# Altium PCB Fri3d_2020_Time_Blaster_00.PcbDoc (part 2 of 2)
Units mm, origin at the board's own origin, x right, y up, seen from the top; angles counter-clockwise.
Board outline 163.52 x 127.05 mm, 2 copper layers (Top Layer, Bottom Layer), stack 1.571 mm thick; 69 components, 56 nets, 239 pads, 21 vias.
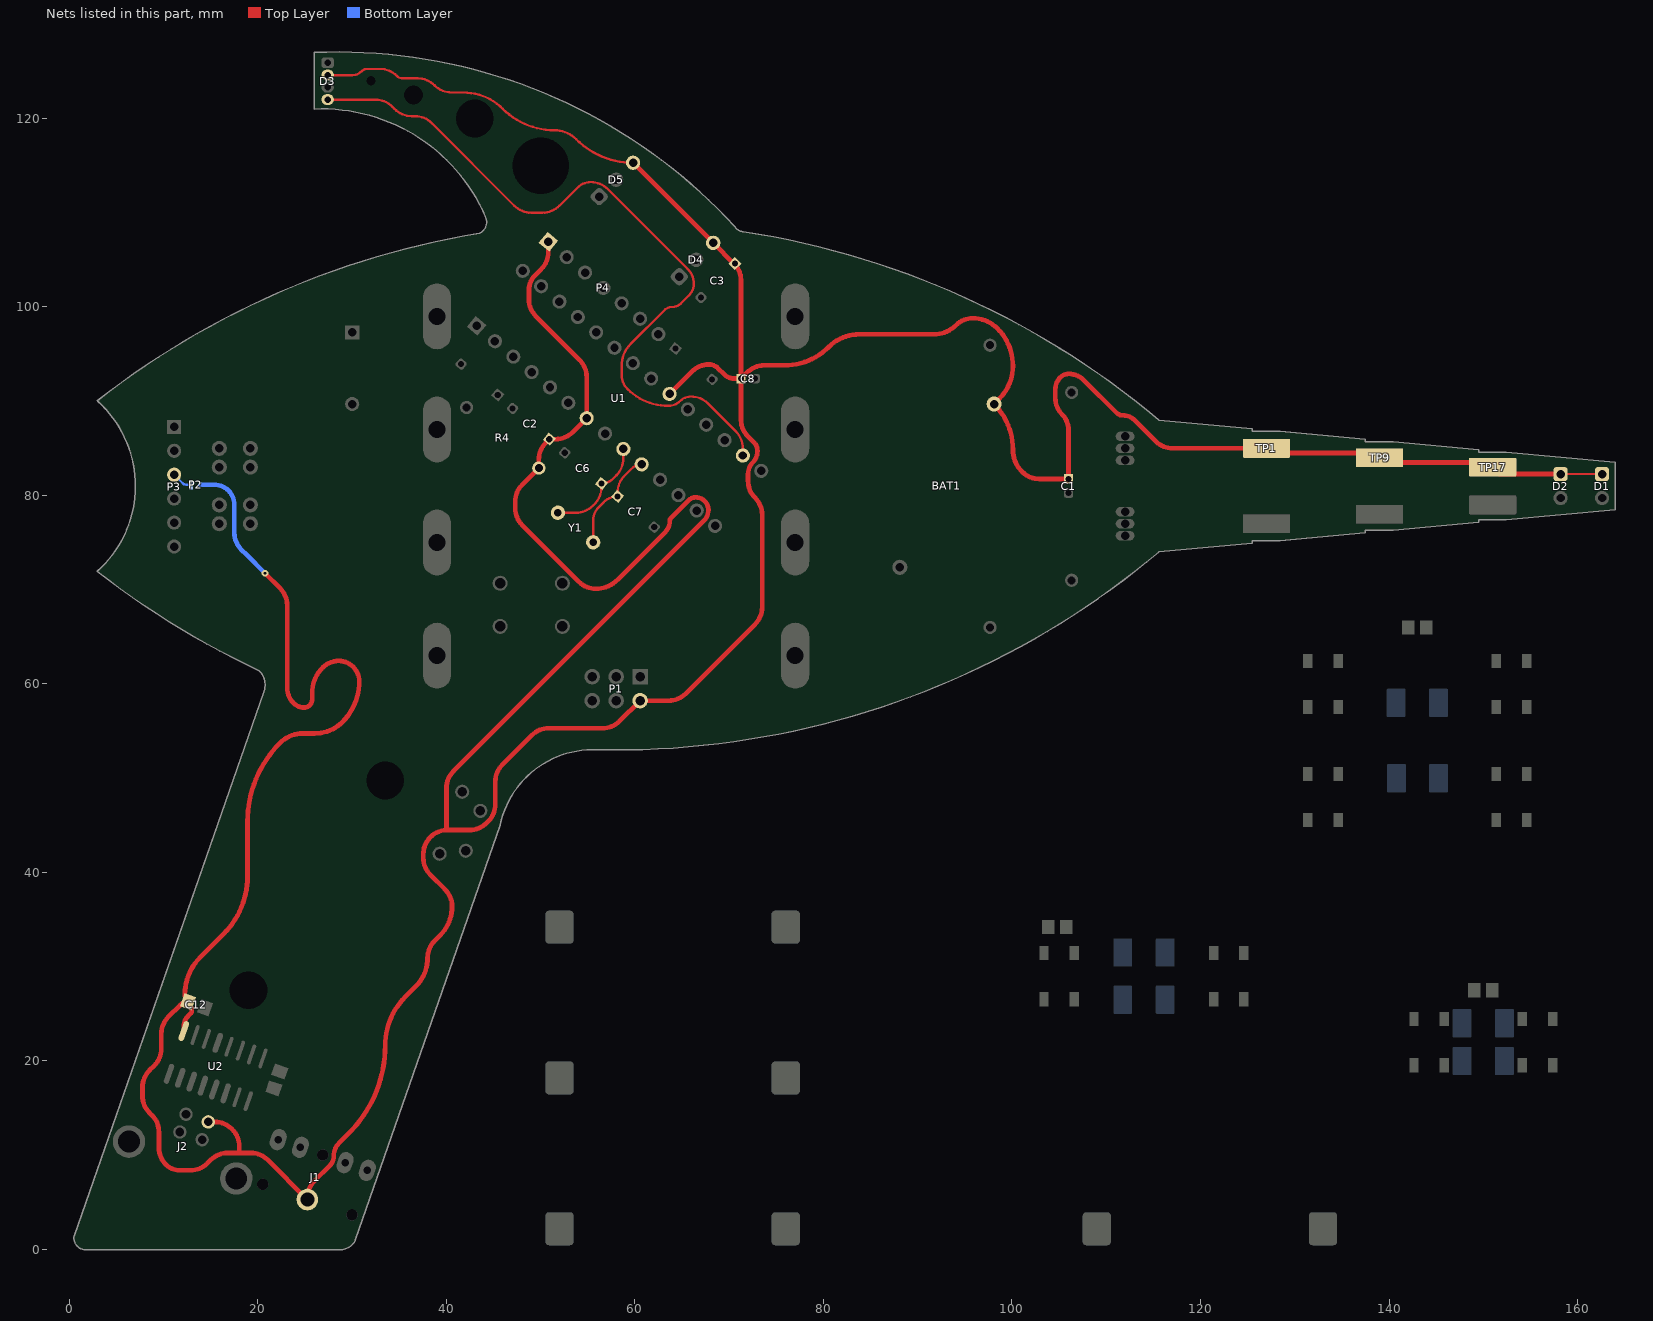
[diagram p2: the nets of this part, all layers, seen from the top]

## Via types
v1: diameter 0.7, hole 0.3, Top Layer to Bottom Layer, 21 vias

## Nets (pads, with @x,y where several pads share a name; then routed paths per layer and width w, separated by ;. In a path a pad name is that pad's centre, name@x,y a point inside that pad or via, vN(x,y) a via of type N, cw(c..) or ccw(c..) an arc to the next point about the centre after c; other vN are vias at no path point) (continued)
VCC: BAT1.1 C1.1 C2.1 C3.1 C8.1 C12.1 D1.1 D2.1 D3.2 D4.3 D5.3 J1.1 J2.1 P1.2 P2.1 P4.1 R4.1 TP1.1 TP9.1 TP17.1 U1.7 U1.20 U2.16 | length 552.6
  Top Layer w0.25: D3.2@27.4,124.6 30.034,124.6 ccw(c30.034,125.966) 31,125 cw(c31.604,124.396) 31.604,125.25 32.948,125.25 cw(c32.948,122.71) 34.744,124.506 ccw(c35.362,125.124) 35.362,124.25 36.948,124.25 cw(c36.948,121.71) 38.744,123.506 ccw(c40.569,125.331) 40.569,122.75 41.801,122.75 cw(c41.801,116.837) 45.982,121.018 ; 45.982,121.018 ccw(c51.457,126.493) 51.457,118.75 cw(c51.457,115.463) 53.782,117.787 ccw(c59.796,123.801) D5.3@59.796,115.296 ; D2.1@158.2,82.27 D1.1@162.6,82.27
  Top Layer w0.5: U2.16@12.129,23.17 12.129,23.663 cw(c13.665,23.663) 12.579,24.75 12.889,25.06 ccw(c12.699,25.25) 12.968,25.25 12.968,25.339 ccw(c11.64,25.339) C12.1@12.579,26.278 ; J2.1@14.73,13.539 15.43,13.539 cw(c15.43,10.999) 17.226,12.795 17.281,12.74 cw(c15.485,10.944) 18.025,10.944 18.025,10.25 ; v1(20.75,71.75) 22.356,70.144 cw(c20.56,68.348) 23.1,68.348 23.1,59.63 ccw(c25.466,59.63) 23.793,57.957 ccw(c24.896,59.061) 24.896,57.5 ccw(c24.896,58.354) 25.75,58.354 25.75,59.027 cw(c29.601,59.027) 26.878,61.75 cw(c28.568,60.06) 28.568,62.45 cw(c28.568,60.268) 30.75,60.268 cw(c24.672,60.268) 28.97,55.97 cw(c26.025,58.914) 26.025,54.75 24.756,54.75 ccw(c24.756,51.356) 22.356,53.756 ccw(c30.7,45.412) 18.9,45.412 18.9,39.593 cw(c10.286,39.593) 16.377,33.502 13.879,31.004 ccw(c17.811,27.071) 12.25,27.071 ccw(c13.372,27.071) C12.1@12.579,26.278 ; P4.1@50.811,106.913 50.811,105.817 cw(c48.271,105.817) 50.067,104.021 49.408,103.362 ccw(c50.998,101.773) 48.75,101.773 48.75,100.802 ccw(c51.29,100.802) 49.494,99.006 54.134,94.366 cw(c52.338,92.57) 54.878,92.57 U1.7@54.878,88.198 53.392,86.711 cw(c51.596,88.507) 51.596,85.967 C2.1@50.914,85.967 50.544,85.597 ccw(c52.34,83.801) 49.8,83.801 R4.1@49.8,82.9 48.044,81.144 ccw(c49.84,79.348) 47.3,79.348 47.3,78.652 ccw(c49.84,78.652) 48.044,76.856 54.056,70.844 ccw(c55.852,72.64) 55.852,70.1 ccw(c55.852,73.354) 58.153,71.053 63.205,76.105 ccw(c62.01,77.3) 63.7,77.3 cw(c64.183,77.3) 63.841,77.641 65.693,79.493 cw(c66.434,78.751) 66.434,79.8 cw(c66.434,78.434) 67.4,79.4 cw(c66.434,78.434) 67.8,78.465 ; D5.3@59.796,115.296 D4.3@68.296,106.796 70.546,104.546 cw(c68.847,102.847) 71.25,102.847 C8.1@71.25,92.402 ; U1.20@63.668,90.77 66.054,93.156 cw(c67.85,91.36) 67.85,93.9 cw(c67.85,92.546) 68.807,93.503 69.468,92.843 ; 67.8,78.5 cw(c66.11,78.5) 67.8,78.465 ; 69.468,92.844 ccw(c70.534,93.909) 70.534,92.402 C8.1@70.789,92.402 ; C8.1@70.961,92.402 C8.1@71.25,92.402 ; D2.1@158.2,82.27 151.73,82.27 TP17.1@151,83 150.5,83.5 139.5,83.5 TP9.1@139,84 138.5,84.5 128.6,84.5 128.1,85 TP1.1@127,85 117.052,85 cw(c117.052,87.54) 115.256,85.744 113.03,87.97 ccw(c111.75,86.689) 111.75,88.5 cw(c111.75,89.434) 111.09,88.773 107.627,92.236 ccw(c106.024,90.632) 106.024,92.9 ccw(c106.024,91.636) 105.13,92.53 ccw(c106.409,91.251) 104.6,91.251 104.6,90.352 ccw(c107.14,90.352) 105.344,88.556 cw(c103.76,86.972) 106,86.972 C1.1@106,81.75 102.902,81.75 cw(c102.902,84.29) 101.106,82.494 101.07,82.53 cw(c103.411,84.872) 100.1,84.872 ccw(c93.272,84.872) BAT1.1@98.1,89.7 98.667,90.267 ccw(c95.207,93.727) 100.1,93.727 ccw(c94.443,93.727) 98.443,97.727 ccw(c95.852,95.136) 95.852,98.8 ccw(c95.852,96.26) 94.056,98.056 cw(c91.748,100.364) 91.748,97.1 83.812,97.1 ccw(c83.812,92.484) 80.548,95.748 cw(c75.845,100.451) 75.845,93.8 73.7,93.8 ccw(c73.7,91.26) 71.904,93.056 C8.1@71.25,92.402 ; C12.1@12.579,26.278 ccw(c12.579,25.106) 11.751,25.935 10.494,24.678 ccw(c12.29,22.882) 9.75,22.882 9.75,21.302 cw(c7.21,21.302) 9.006,19.506 8.494,18.994 ccw(c10.29,17.198) 7.75,17.198 7.75,16.302 ccw(c10.29,16.302) 8.494,14.506 8.756,14.244 cw(c6.96,12.448) 9.5,12.448 9.5,10.802 ccw(c12.04,10.802) 10.244,9.006 ccw(c11.708,10.47) 11.708,8.4 12.848,8.4 ccw(c12.848,10.94) 14.644,9.144 15.006,9.506 cw(c16.802,7.71) 16.802,10.25 18.025,10.25 ; 18.025,10.25 19.248,10.25 cw(c19.248,7.71) 21.044,9.506 J1.1@25.25,5.3 25.25,5.473 cw(c27.79,5.473) 25.994,7.269 27.622,8.897 ccw(c26.605,9.913) 28.043,9.913 cw(c30.02,9.913) 28.622,11.311 29.652,12.341 ccw(c20.363,21.631) 33.5,21.631 cw(c40.848,21.631) 35.652,26.827 36.746,27.92 ccw(c33.718,30.948) 38,30.948 cw(c40.54,30.948) 38.744,32.744 39.329,33.329 ccw(c36.26,36.398) 40.6,36.398 ccw(c38.06,36.398) 39.856,38.194 38.294,39.756 cw(c40.09,41.552) 37.55,41.552 37.55,41.96 cw(c40.09,41.96) 37.617,42.541 cw(c40.09,41.96) 40,44.498 ; 40,44.498 cw(c40.09,41.96) 40.09,44.5 42.448,44.5 ccw(c42.448,47.04) 44.244,45.244 44.445,45.445 ccw(c42.649,47.241) 45.189,47.241 45.189,49.637 cw(c47.729,49.637) 45.933,51.433 49.056,54.556 cw(c50.852,52.76) 50.852,55.3 56.558,55.3 ccw(c56.558,57.84) 58.354,56.044 P1.2@60.54,58.23 63.578,58.23 ccw(c63.578,60.77) 65.374,58.974 72.756,66.356 ccw(c70.96,68.152) 73.5,68.152 73.5,77.948 ccw(c70.96,77.948) 72.756,79.744 72.744,79.756 cw(c74.54,81.552) 72,81.552 72,82.293 cw(c73.707,82.293) 72.5,83.5 ccw(c71.293,84.707) 73,84.707 73,84.75 ccw(c71.793,84.75) 72.646,85.604 71.957,86.293 cw(c73.664,88) 71.25,88 C8.1@71.25,92.402 ; 40,44.498 40,48.948 cw(c42.54,48.948) 40.744,50.744 67.305,77.305 ccw(c66.11,78.5) 67.8,78.465
  Bottom Layer w0.5: P2.1@13.9,81.15 15.35,81.15 cw(c15.35,79) 17.5,79 17.5,76.052 ccw(c20.04,76.052) 18.244,74.256 18.803,73.697 v1(20.75,71.75)
VFTDI: P2.2 P3.3 | length 2.2
  Bottom Layer w0.25: P3.3@11.113,82.2 12.02,81.293 ccw(c12.366,81.639) 12.366,81.15 P2.2@12.9,81.15
WS2812: D3.4 U1.16 | length 80.5
  Top Layer w0.25: D3.4@27.4,122 32.448,122 cw(c32.448,119.46) 34.244,121.256 34.506,120.994 ccw(c36.302,122.79) 36.302,120.25 36.644,120.25 cw(c36.644,117.71) 38.44,119.506 47.202,110.744 ccw(c48.998,112.54) 48.998,110 50.198,110 ccw(c50.198,112.54) 51.994,110.744 53.926,112.676 cw(c55.311,111.291) 55.311,113.25 cw(c55.311,110.71) 57.107,112.506 65.613,104 cw(c64.077,102.463) 66.25,102.463 66.25,102.457 cw(c64.543,102.457) 65.75,101.25 64.854,100.354 cw(c64,101.207) 64,100 ccw(c64,98.725) 63.098,99.627 59.524,96.052 ccw(c61.769,93.807) 58.594,93.807 58.594,92.774 ccw(c60.691,92.774) 59.208,91.292 ; 59.208,91.292 ccw(c63.534,95.617) 63.534,89.5 ccw(c63.534,91.293) 64.802,90.025 cw(c65.948,88.879) 65.948,90.5 cw(c65.948,87.96) 67.744,89.756 70.707,86.793 cw(c68.911,84.997) 71.451,84.997 U1.16@71.451,84.239
XTAL1: C6.1 U1.9 Y1.1 | length 11.4
  Top Layer w0.25: Y1.1@51.831,78.168 53.741,78.168 ccw(c53.741,80.708) 55.537,78.912 55.702,79.077 ccw(c53.906,80.873) 56.446,80.873 C6.1@56.446,81.267 ccw(c56.446,83.009) 57.678,81.778 58.026,82.126 ccw(c56.23,83.922) 58.77,83.922 U1.9@58.77,84.932
XTAL2: C7.1 U1.10 Y1.2 | length 10.9
  Top Layer w0.25: Y1.2@55.569,75.032 55.569,77.383 cw(c57.467,77.383) 56.125,78.725 56.701,79.301 cw(c58.154,77.847) C7.1@58.154,79.903 58.154,80.302 cw(c60.694,80.302) 58.898,82.098 59.664,82.864 cw(c60.715,81.813) U1.10@60.715,83.3
pads on no net: J1.0 SW2.1 SW2.2 SW2.3 SW2.4 U2.7 U2.8 U2.9 U2.10 U2.11 U2.12 U2.14 U2.15
copper on no net: | length 2091
  Top Layer w0.5: 47.007,4.401 cw(c70,-23) 92.993,4.401 ; 47.007,20.401 cw(c70,-7) 92.993,20.401 ; 47.007,36.401 cw(c70,9) 92.993,36.401 ; 104.007,4.401 cw(c127,-23) 149.993,4.401 ; 100.861,26.683 cw(c114,29) 100.861,31.317 101.788,31.153 ccw(c114,29) 101.788,26.847 100.861,26.683 ; 101.463,24.437 ccw(c114,29) 103.78,20.424 107.872,23.858 cw(c114,29) 107.054,25.031 cw(c106.489,26.351) 105.169,25.786 101.463,24.437 ; 101.463,33.563 cw(c114,29) 103.78,37.576 106.286,35.473 103.175,35.473 103,35.5 ccw(c114,29) 101.994,33.37 101.463,33.563 ; 105.424,18.78 ccw(c114,29) 109.437,16.463 111.264,21.482 cw(c114,29) 108.858,22.872 105.424,18.78 ; 105.424,39.22 cw(c114,29) 109.437,41.537 111.264,36.518 ccw(c114,29) 108.858,35.128 105.424,39.22 ; 111.683,15.861 ccw(c114,29) 116.317,15.861 115.216,22.106 cw(c114,29) 112.784,22.106 111.683,15.861 ; 111.683,42.139 cw(c114,29) 116.317,42.139 115.216,35.894 ccw(c114,29) 112.784,35.894 111.683,42.139 ; 116.736,21.482 ccw(c114,29) 119.142,22.872 122.576,18.78 cw(c114,29) 118.563,16.463 116.736,21.482 ; 116.736,36.518 cw(c114,29) 119.142,35.128 122.576,39.22 ccw(c114,29) 118.563,41.537 116.736,36.518 ; 120.128,23.858 ccw(c114,29) 120.585,24.458 ccw(c122.085,40.521) 125.604,24.776 126.537,24.437 cw(c114,29) 124.22,20.424 120.128,23.858 ; 120.128,34.142 cw(c120.428,27.209) 124.506,32.824 126.537,33.563 ccw(c114,29) 124.22,37.576 120.128,34.142 ; 126.212,26.847 ccw(c114,29) 126.212,31.153 127.139,31.317 cw(c114,29) 127.139,26.683 126.212,26.847
  Top Layer w0.75: 162,54 ccw(c143,54) 162,54
  Top Layer w2: 53.115,6.246 cw(c70,-23) 58.45,8.733 ; 53.115,22.246 cw(c70,-7) 58.45,24.733 ; 53.115,38.246 cw(c70,9) 58.45,40.733 ; 61.26,9.619 cw(c70,-23) 67.057,10.641 ; 61.26,25.619 cw(c70,-7) 67.057,26.641 ; 61.26,41.619 cw(c70,9) 67.057,42.641 ; 70,10.77 cw(c70,-23) 75.864,10.257 ; 70,26.77 cw(c70,-7) 75.864,26.257 ; 70,42.77 cw(c70,9) 75.864,42.257 ; 78.74,9.619 cw(c70,-23) 84.272,7.606 ; 78.74,25.619 cw(c70,-7) 84.272,23.606 ; 78.74,41.619 cw(c70,9) 84.272,39.606 ; 110.115,6.246 cw(c127,-23) 115.45,8.733 ; 118.26,9.619 cw(c127,-23) 124.057,10.641 ; 127,10.77 cw(c127,-23) 132.864,10.257 ; 135.74,9.619 cw(c127,-23) 141.272,7.606
  Bottom Layer w0.25: 102.991,26.175 cw(c104,29) 103.022,31.836 ; 104.218,34.787 cw(c106.929,36.071) 108.243,38.768 ; 104.232,23.243 ccw(c106.929,21.929) 108.213,19.218 ; 106.018,26.78 ccw(c104,29) 106.018,31.22 ; 106.786,24.926 cw(c106.929,21.929) 109.926,21.786 ; 106.786,33.074 ccw(c106.929,36.071) 109.926,36.214 ; 111.164,18.022 ccw(c114,19) 116.825,17.991 ; 111.175,40.009 cw(c114,39) 116.836,39.978 ; 111.78,21.018 cw(c114,19) 116.22,21.018 ; 111.78,36.982 ccw(c114,39) 116.22,36.982 ; 118.074,21.786 cw(c121.071,21.929) 121.214,24.926 ; 118.074,36.214 ccw(c121.071,36.071) 121.214,33.074 ; 119.757,19.232 ccw(c121.071,21.929) 123.782,23.213 ; 119.787,38.782 cw(c121.071,36.071) 123.768,34.757 ; 121.982,26.78 cw(c124,29) 121.982,31.22 ; 124.978,26.164 ccw(c124,29) 125.009,31.825 ; 106.761,25.173 ccw(c104.761,25.173) 106.761,25.173 ; 106.761,32.827 ccw(c104.761,32.827) 106.761,32.827 ; 107.929,21.929 ccw(c106.929,21.929) 107.929,21.929 ; 107.929,36.071 ccw(c106.929,36.071) 107.929,36.071 ; 108,29 ccw(c104,29) 108,29 ; 112.173,19.761 ccw(c110.173,19.761) 112.173,19.761 ; 112.173,38.239 ccw(c110.173,38.239) 112.173,38.239 ; 118,19 ccw(c114,19) 118,19 ; 118,39 ccw(c114,39) 118,39 ; 119.827,19.761 ccw(c117.827,19.761) 119.827,19.761 ; 119.827,38.239 ccw(c117.827,38.239) 119.827,38.239 ; 122.071,21.929 ccw(c121.071,21.929) 122.071,21.929 ; 122.071,36.071 ccw(c121.071,36.071) 122.071,36.071 ; 125.239,25.173 ccw(c123.239,25.173) 125.239,25.173 ; 125.239,32.827 ccw(c123.239,32.827) 125.239,32.827 ; 128,29 ccw(c124,29) 128,29
  Bottom Layer w0.5: 47.007,4.401 cw(c70,-23) 92.993,4.401 ; 47.007,20.401 cw(c70,-7) 92.993,20.401 ; 47.007,36.401 cw(c70,9) 92.993,36.401 ; 104.007,4.401 cw(c127,-23) 149.993,4.401 ; 141,22 cw(c150,22) 141.137,23.563 144.091,23.042 cw(c150,22) 144.362,24.052 141.543,25.078 cw(c150,22) 142.206,26.5 144.804,25 cw(c150,22) 145.404,25.857 143.106,27.785 cw(c150,22) 144.215,28.894 146.143,26.596 cw(c150,22) 147,27.196 145.5,29.794 cw(c150,22) 146.922,30.457 147.948,27.638 cw(c150,22) 148.958,27.909 148.437,30.863 cw(c150,22) 150,31 150,28 cw(c150,22) 151.042,27.909 151.563,30.863 cw(c150,22) 153.078,30.457 152.052,27.638 cw(c150,22) 153,27.196 154.5,29.794 cw(c150,22) 155.785,28.894 153.857,26.596 cw(c150,22) 154.596,25.857 156.894,27.785 cw(c150,22) 157.794,26.5 155.196,25 cw(c150,22) 155.638,24.052 158.457,25.078 cw(c150,22) 158.863,23.563 155.909,23.042 cw(c150,22) 156,22 159,22 cw(c150,22) 158.863,20.437 155.909,20.958 cw(c150,22) 155.638,19.948 158.457,18.922 cw(c150,22) 157.794,17.5 155.196,19 cw(c150,22) 154.596,18.143 156.894,16.215 cw(c150,22) 155.785,15.106 153.857,17.404 cw(c150,22) 153,16.804 154.5,14.206 cw(c150,22) 153.078,13.543 152.052,16.362 cw(c150,22) 151.042,16.091 151.563,13.137 cw(c150,22) 150,13 150,16 cw(c150,22) 148.958,16.091 148.437,13.137 cw(c150,22) 146.922,13.543 147.948,16.362 cw(c150,22) 147,16.804 145.5,14.206 cw(c150,22) 144.215,15.106 146.143,17.404 cw(c150,22) 145.404,18.143 143.106,16.215 cw(c150,22) 142.206,17.5 144.804,19 cw(c150,22) 144.362,19.948 141.543,18.922 cw(c150,22) 141.137,20.437 144.091,20.958 cw(c150,22) 144,22 141,22
  Bottom Layer w0.55: 134,54 ccw(c130,54) 134,54 ; 134,54 ccw(c133,54) 134,54 ; 137.808,44.808 ccw(c133.808,44.808) 137.808,44.808 ; 137.808,44.808 ccw(c136.808,44.808) 137.808,44.808 ; 137.808,63.192 ccw(c133.808,63.192) 137.808,63.192 ; 137.808,63.192 ccw(c136.808,63.192) 137.808,63.192 ; 147,41 ccw(c143,41) 147,41 ; 147,41 ccw(c146,41) 147,41 ; 147,67 ccw(c146,67) 147,67 ; 147,67 ccw(c143,67) 147,67 ; 156.192,44.808 ccw(c155.192,44.808) 156.192,44.808 ; 156.192,44.808 ccw(c152.192,44.808) 156.192,44.808 ; 156.192,63.192 ccw(c152.192,63.192) 156.192,63.192 ; 156.192,63.192 ccw(c155.192,63.192) 156.192,63.192 ; 160,54 ccw(c159,54) 160,54 ; 160,54 ccw(c156,54) 160,54 ; 128,54 ccw(c127,54) 128,54 ; 128.879,51.879 ccw(c127.879,51.879) 128.879,51.879 ; 128.879,56.121 ccw(c127.879,56.121) 128.879,56.121 ; 131,51 ccw(c130,51) 131,51 ; 131,57 ccw(c130,57) 131,57 ; 131.808,44.808 ccw(c130.808,44.808) 131.808,44.808 ; 131.808,63.192 ccw(c130.808,63.192) 131.808,63.192 ; 132,54 ccw(c130,54) 132,54 ; 132.686,42.686 ccw(c131.686,42.686) 132.686,42.686 ; 132.686,46.929 ccw(c131.686,46.929) 132.686,46.929 ; 132.686,61.071 ccw(c131.686,61.071) 132.686,61.071 ; 132.686,65.314 ccw(c131.686,65.314) 132.686,65.314 ; 133.121,51.879 ccw(c132.121,51.879) 133.121,51.879 ; 133.121,56.121 ccw(c132.121,56.121) 133.121,56.121 ; 134.808,41.808 ccw(c133.808,41.808) 134.808,41.808 ; 134.808,47.808 ccw(c133.808,47.808) 134.808,47.808 ; 134.808,60.192 ccw(c133.808,60.192) 134.808,60.192 ; 134.808,66.192 ccw(c133.808,66.192) 134.808,66.192 ; 135.808,44.808 ccw(c133.808,44.808) 135.808,44.808 ; 135.808,63.192 ccw(c133.808,63.192) 135.808,63.192 ; 136.929,42.686 ccw(c135.929,42.686) 136.929,42.686 ; 136.929,46.929 ccw(c135.929,46.929) 136.929,46.929 ; 136.929,61.071 ccw(c135.929,61.071) 136.929,61.071 ; 136.929,65.314 ccw(c135.929,65.314) 136.929,65.314 ; 141,41 ccw(c140,41) 141,41 ; 141,67 ccw(c140,67) 141,67 ; 141.879,38.879 ccw(c140.879,38.879) 141.879,38.879 ; 141.879,43.121 ccw(c140.879,43.121) 141.879,43.121 ; 141.879,64.879 ccw(c140.879,64.879) 141.879,64.879 ; 141.879,69.121 ccw(c140.879,69.121) 141.879,69.121 ; 144,38 ccw(c143,38) 144,38 ; 144,44 ccw(c143,44) 144,44 ; 144,64 ccw(c143,64) 144,64 ; 144,70 ccw(c143,70) 144,70 ; 145,41 ccw(c143,41) 145,41 ; 145,67 ccw(c143,67) 145,67 ; 146.121,38.879 ccw(c145.121,38.879) 146.121,38.879 ; 146.121,43.121 ccw(c145.121,43.121) 146.121,43.121 ; 146.121,64.879 ccw(c145.121,64.879) 146.121,64.879 ; 146.121,69.121 ccw(c145.121,69.121) 146.121,69.121 ; 150.192,44.808 ccw(c149.192,44.808) 150.192,44.808 ; 150.192,63.192 ccw(c149.192,63.192) 150.192,63.192 ; 151.071,42.686 ccw(c150.071,42.686) 151.071,42.686 ; 151.071,46.929 ccw(c150.071,46.929) 151.071,46.929 ; 151.071,61.071 ccw(c150.071,61.071) 151.071,61.071 ; 151.071,65.314 ccw(c150.071,65.314) 151.071,65.314 ; 153.192,41.808 ccw(c152.192,41.808) 153.192,41.808 ; 153.192,47.808 ccw(c152.192,47.808) 153.192,47.808 ; 153.192,60.192 ccw(c152.192,60.192) 153.192,60.192 ; 153.192,66.192 ccw(c152.192,66.192) 153.192,66.192 ; 154,54 ccw(c153,54) 154,54 ; 154.192,44.808 ccw(c152.192,44.808) 154.192,44.808 ; 154.192,63.192 ccw(c152.192,63.192) 154.192,63.192 ; 154.879,51.879 ccw(c153.879,51.879) 154.879,51.879 ; 154.879,56.121 ccw(c153.879,56.121) 154.879,56.121 ; 155.314,42.686 ccw(c154.314,42.686) 155.314,42.686 ; 155.314,46.929 ccw(c154.314,46.929) 155.314,46.929 ; 155.314,61.071 ccw(c154.314,61.071) 155.314,61.071 ; 155.314,65.314 ccw(c154.314,65.314) 155.314,65.314 ; 157,51 ccw(c156,51) 157,51 ; 157,57 ccw(c156,57) 157,57 ; 158,54 ccw(c156,54) 158,54 ; 159.121,51.879 ccw(c158.121,51.879) 159.121,51.879 ; 159.121,56.121 ccw(c158.121,56.121) 159.121,56.121
  Bottom Layer w2: 53.115,6.246 cw(c70,-23) 58.45,8.733 ; 53.115,22.246 cw(c70,-7) 58.45,24.733 ; 53.115,38.246 cw(c70,9) 58.45,40.733 ; 61.26,9.619 cw(c70,-23) 67.057,10.641 ; 61.26,25.619 cw(c70,-7) 67.057,26.641 ; 61.26,41.619 cw(c70,9) 67.057,42.641 ; 70,10.77 cw(c70,-23) 75.864,10.257 ; 70,26.77 cw(c70,-7) 75.864,26.257 ; 70,42.77 cw(c70,9) 75.864,42.257 ; 78.74,9.619 cw(c70,-23) 84.272,7.606 ; 78.74,25.619 cw(c70,-7) 84.272,23.606 ; 78.74,41.619 cw(c70,9) 84.272,39.606 ; 110.115,6.246 cw(c127,-23) 115.45,8.733 ; 118.26,9.619 cw(c127,-23) 124.057,10.641 ; 127,10.77 cw(c127,-23) 132.864,10.257 ; 135.74,9.619 cw(c127,-23) 141.272,7.606

## Polygon pours and split planes (outlines as drawn)
GND on Bottom Layer "GND_L02_P000" (hatched 45Degree grid 1 track 0.2, remove dead copper, pour order 0): 0,0 19.7,59.5 2.4,70.9 2.2,91 25.7,106.9 42.1,109.2 24.4,119.8 24.6,128.2 31.4,128.2 52.2,125 66.1,116.1 72.4,109.9 98.1,103.4 114.2,90.6 139.8,87.6 165.5,85 165.2,77.1 117.5,72.8 94.5,58.3 65.9,50.2 49.5,51.7 47.5,43.9 31,-0.5

## Keep-outs
Keep-Out Layer:
  text ".Layer_Name" at 264.902,-46.311 h3.5

## Other copper
Top Layer:
  region: 89.745,86.37 cw(c89.661,86.515) 89.577,86.659 90.951,87.454 cw(c92.032,87.9) 90.936,87.493 90.422,87.355 cw(c90.396,87.452) 90.37,87.549 90.882,87.686 cw(c92.032,87.9) 90.872,87.756 89.924,87.757 cw(c89.924,87.891) 89.924,88.025 90.869,88.024 cw(c92.032,87.9) 90.88,88.098 90.369,88.235 cw(c90.395,88.332) 90.421,88.429 90.931,88.293 cw(c92.032,87.9) 90.945,88.331 89.572,89.126 cw(c89.656,89.27) 89.74,89.415 91.112,88.622 cw(c92.032,87.9) 91.137,88.652 90.766,89.021 cw(c90.837,89.092) 90.908,89.163 91.279,88.794 cw(c92.032,87.9) 91.335,88.839 90.865,89.654 cw(c90.981,89.721) 91.097,89.788 91.567,88.973 cw(c92.032,87.9) 91.637,89 91.501,89.508 cw(c91.598,89.534) 91.695,89.56 91.832,89.052 cw(c92.032,87.9) 91.871,89.058 91.871,90.648 cw(c92.038,90.648) 92.206,90.648 92.206,89.056 cw(c92.032,87.9) 92.244,89.05 92.381,89.561 cw(c92.478,89.535) 92.578,89.535 cw(c92.478,89.535) 92.575,89.509 92.438,88.996 cw(c92.032,87.9) 92.506,88.969 92.979,89.787 cw(c93.095,89.72) 93.229,89.72 cw(c93.095,89.72) 93.211,89.653 92.737,88.833 cw(c92.032,87.9) 92.792,88.788 93.167,89.164 cw(c93.239,89.093) 93.339,89.093 cw(c93.239,89.093) 93.31,89.022 92.933,88.645 cw(c92.032,87.9) 92.958,88.614 94.345,89.415 cw(c94.429,89.27) 94.596,89.27 cw(c94.429,89.27) 94.513,89.125 93.123,88.322 cw(c92.032,87.9) 93.134,88.292 93.654,88.432 cw(c93.68,88.335) 93.781,88.335 cw(c93.68,88.335) 93.706,88.238 93.185,88.098 cw(c92.032,87.9) 93.195,88.023 94.151,88.023 cw(c94.151,87.889) 94.285,87.889 cw(c94.151,87.889) 94.151,87.755 93.193,87.755 cw(c92.032,87.9) 93.183,87.692 93.707,87.552 cw(c93.681,87.455) 93.781,87.455 cw(c93.681,87.455) 93.655,87.358 93.13,87.498 cw(c92.032,87.9) 93.117,87.462 94.507,86.659 cw(c94.423,86.514) 94.59,86.514 cw(c94.423,86.514) 94.339,86.369 92.949,87.173 cw(c92.032,87.9) 92.928,87.148 93.315,86.761 cw(c93.244,86.69) 93.345,86.69 cw(c93.244,86.69) 93.173,86.619 92.786,87.005 cw(c92.032,87.9) 92.728,86.96 93.209,86.125 cw(c93.093,86.059) 93.227,86.059 cw(c93.093,86.059) 92.977,85.992 92.496,86.826 cw(c92.032,87.9) 92.437,86.802 92.578,86.276 cw(c92.481,86.25) 92.582,86.25 cw(c92.481,86.25) 92.384,86.224 92.243,86.749 cw(c92.032,87.9) 92.206,86.743 92.206,77.109 cw(c92.038,77.109) 91.871,77.109 91.871,86.741 cw(c92.032,87.9) 91.838,86.746 91.698,86.223 cw(c91.601,86.249) 91.504,86.275 91.643,86.797 cw(c92.032,87.9) 91.576,86.823 91.096,85.992 cw(c90.98,86.059) 90.864,86.127 91.343,86.955 cw(c92.032,87.9) 91.288,86.997 90.907,86.615 cw(c90.836,86.686) 90.765,86.757 91.145,87.138 cw(c92.032,87.9) 91.122,87.166
  region: 103.78,20.424 cw(c114,29) 101.463,24.437 105.169,25.786 ccw(c106.489,26.351) 107.054,25.031 ccw(c114,29) 107.872,23.858
  region: 120.128,23.858 124.22,20.424 ccw(c114,29) 126.537,24.437 125.604,24.776 cw(c122.085,40.521) 120.585,24.458 cw(c114,29)
  region: 120.128,34.142 cw(c120.428,27.209) 124.506,32.824 126.537,33.563 ccw(c114,29) 124.22,37.576
  region: 101.994,33.37 cw(c114,29) 103,35.5 103.175,35.473 106.286,35.473 103.78,37.576 ccw(c114,29) 101.463,33.563
  region: 112.784,35.894 111.683,42.139 cw(c114,29) 116.317,42.139 115.216,35.894 ccw(c114,29)
  region: 111.683,15.861 ccw(c114,29) 116.317,15.861 115.216,22.106 cw(c114,29) 112.784,22.106
  text "AREA / 3001" at 6.95,1.55 h2 r10
  text ".Layer_Name" at 264.902,-46.311 h3.5
Bottom Layer:
  region: 2137 vertices and 5 holes, not listed, extent 81.639,92.929 92.036,95.804
  region: 90.509,100.574 90.492,100.574 90.492,100.557 90.526,100.557 90.527,100.574 90.527,100.591 90.509,100.592
  region: 570 vertices and 0 holes, not listed, extent 89.549,98.199 90.643,101.068
  region: 380 vertices and 0 holes, not listed, extent 88.447,100.609 90.51,102.068
  region: 638 vertices and 0 holes, not listed, extent 86.662,98.084 89.946,100.469
  region: 460 vertices and 0 holes, not listed, extent 86.737,100.124 88.54,102.126
  text ".Layer_Name" at 264.902,-46.311 h3.5

## Silkscreen, mask and mechanical layers (free items; w line width, h text height)
Top Overlay:
  drawing of 111 lines, arcs and shapes, not listed
  text "100n" at 67.9,101.2 h2 r45
  text "ATMega328p" at 48.5,97.3 h5 r320
  text "100n" at 64.65,94.65 h2 r320
  text "120R" at 99.5,94 h3 r330
  text "100n" at 41.9,93.1 h2 r320
  text "Team" at 12,91.937 h5 r16.72
  text "UART" at 7.75,88.5 h3
  text "33µF" at 69.25,88.483 h3
  text "100n" at 47.4,88.3 h2 r320
  text "10k" at 44,86.8 h3 r320
  text "1" at 16,86.143 h2
  text "G" at 4.6,86 h3
  text "+" at 129.7,83.9 h3
  text "22p" at 53.297,83.4 h2 r320
  text "Rex" at 20.5,83 h4.5
  text "+" at 141.7,82.9 h3
  text "+" at 153.7,81.9 h3
  text "+" at 160.7,81.5 h3
  text "+" at 4.6,80.92 h3
  text "2N3904" at 108.7,80.3 h3
  text "Giggle" at 20.3,79.25 h4.5
  text "22p" at 58.8,78.7 h2 r320
  text "T>" at 4.6,78.38 h3
  text "33µF" at 103.25,76.75 h3
  text "Buzz" at 20.5,76.5 h4.5
  text "16MHz" at 51.1,76.5 h2 r320
  text "R<" at 4.6,75.84 h3
  text "DTR" at 4.6,73.3 h2.5
  text "120R" at 100,66.5 h3 r30
  text "100n" at 141.3,63.8 h2
  text "RST" at 52,62.5 h2 r330
  text "SCK" at 56.5,62.5 h2
  text "MiSo" at 62,61 h2 r30
  text "Vcc" at 61.5,57 h2 r330
  text "MoSi" at 56.204,56 h2
  text "GND" at 52,55.5 h2 r30
  text "Pin" at 18.494,52.405 h2.5 r341
  text "Signal" at 24.356,50.387 h2.5 r341
  text "L" at 40.7,44 h5
  text "100n" at 106.7,33.6 h2
  text "0 / 1 / 2 / 3 / 4 / 5 / 6 / 7 / 8 / 9 / 10 / 11 / A5" at 11.739,32.786 h2.5 r341
  text "RXD / TXD / R-TEAM / G-TEAM / B-TEAM / IR.IN1 / IR.IN2 / BADGE LINK / TRIGGER / IR.OUT1 / WS2812 / IR.OUT2 / BUZZER" at 17.601,30.767 h2.5 r341
  text "100n" at 148.2,28.6 h2
  text "100n" at 15.5,24.75 h2 r341
  text "CH340C" at 12.5,20 h2 r341
  text "100n" at 23.5,15.5 h2 r71
  text "BadgeLink" at 19.836,8.005 h2.5 r341
  text ".Layer_Name" at 264.902,-46.311 h3.5
Bottom Overlay:
  drawing of 56 lines, arcs and shapes, not listed
  text "V+" at 53.5,109.25 h2 r50
  text "A4" at 55.446,107.617 h2 r50
  text "A3" at 57.392,105.985 h2 r50
  text "A2" at 59.337,104.352 h2 r50
  text "A1" at 61.283,102.719 h2 r50
  text "A0" at 63.229,101.087 h2 r50
  text "GND" at 65.954,100.383 h2 r50
  text "G" at 10.113,85.99 h3
  text "+" at 156.3,81.47 h3
  text "+" at 10.113,80.91 h3
  text "<T" at 10.113,78.37 h3
  text ">R" at 10.113,75.83 h3
  text "DTR" at 10.113,73.29 h2.5
  text ".PCB_TITLE" at 97.1,65.17 h3 r22
  text "AREA / 3001" at 75.4,64.9 h5.5 r7.77
  text "FRI3D / CAMP" at 35.7,63.1 h7
  text "Rev. .PCB_Rev" at 94.4,61.67 h3 r22
  text "+" at 147.2,59.2 h3
  text "Wim" at 72.4,58.6 h2 r351
  text "Hans" at 73.2,55.8 h2 r351
  text "K athode / N egatief / A node / P ositief" at 28,55.5 h2 r70.79
  text "K -" at 19.281,45.312 h2 r70.79
  text "A +" at 22.668,44.396 h2 r70.79
  text "R" at 42.5,44 h5
  text "Kleur  - Color  - # - x? / Zwart  - Black  - 0 - ×1 / Bruin  - Brown  - 1 - ×10 / Rood   - Red    - 2 - ×100 / Oranje - Orange - 3 - ×1k / Geel   - Yellow - 4 - ×10k / Groen  - Green  - 5 - ×100k / Blauw  - Blue   - 6 - ×1M / Violet - Violet - 7 - ×10M / Grijs  - Grey   - 8 - ×100M / Wit    - White  - 9 - ×1G" at 43.25,38.5 h2 r70.79
  text "K -" at 15.693,37.296 h2 r70.79
  text "A +" at 20.415,35.65 h2 r70.79
  text "+" at 118.2,32.7 h3
  text "+" at 154.2,25.2 h3
  text ".Layer_Name" at 264.902,-46.311 h3.5
Top Paste:
  text ".Layer_Name" at 264.902,-46.311 h3.5
Bottom Paste:
  text ".Layer_Name" at 264.902,-46.311 h3.5
Top Solder:
  region: 6.475,21.5
  text "AREA / 3001" at 6.95,1.55 h2 r10
  text ".Layer_Name" at 264.902,-46.311 h3.5
Bottom Solder:
  text ".Layer_Name" at 264.902,-46.311 h3.5
Drill Guide:
  text ".Layer_Name" at 264.902,-46.311 h3.5
3D Symbols:
  text ".Layer_Name" at 264.902,-46.311 h3.5
Outline:
  drawing of 157 lines, arcs and shapes, not listed
Comments:
  lines w0.25: 58,78 58,84 ; -7,81 ccw(c58,142.446) 123,81 -7,81
  text ".Layer_Name" at 264.902,-46.311 h3.5
Fabrication:
  text "Red Solder Mask" at -31,-7 h1.5
  text "White Silkscreen" at -31,-10 h1.5
  text "1.6mm Thickness" at -31,-16 h1.5
  text ".Layer_Name" at 264.902,-46.311 h3.5
Placebound Top:
  text ".Layer_Name" at 264.902,-46.311 h3.5
Placebound Bottom:
  text ".Layer_Name" at 264.902,-46.311 h3.5
Comments 2:
  lines w0.25: 0,0 164,0 164,127 0,127 0,0
Frame:
  drawing of 15 lines, arcs and shapes, not listed
  text "Document" at 260.402,-31.311 h2
  text ".PCB_TITLE" at 261.902,-36.811 h3.2
  text "Layer Name" at 260.402,-41.311 h2
  text "Date" at 260.402,-51.311 h2
  text "Rev" at 300.402,-51.311 h2
  text ".Print_Date" at 263.402,-56.811 h3.5
  text ".PCB_REV" at 304.902,-56.811 h4
  text "Desginer" at 210.402,-61.311 h2
  text "Document" at 260.402,-61.311 h2
  text ".Pcb_File_Name_No_Path" at 261.902,-66.311 h1.5
  text ".PCB_ENGINEER" at 214.902,-66.811 h4
Handle:
  circle w0.05: c31.605,8.4 r1.2
  circle w0.05: c29.242,9.214 r1.2
  circle w0.05: c24.576,10.904 r1.2
  circle w0.05: c22.15,11.655 r1.2
  circle w0.05: c6.322,11.452 r1.8
  circle w0.05: c17.706,7.533 r1.8
  circle w0.05: c11.715,12.462 r0.8
  circle w0.05: c12.366,14.353 r0.8
  circle w0.05: c14.73,13.539 r0.8
  circle w0.05: c14.078,11.648 r0.8
  circle w0.05: c25.25,5.3 r1.2
  circle w0.05: c19,27.5 r2.1
  circle w0.05: c33.5,49.75 r2.1
  circle w0.05: c39.278,41.989 r0.8
  circle w0.05: c42.055,42.308 r0.8
  circle w0.05: c41.672,48.566 r0.8
  circle w0.05: c43.594,46.537 r0.8
  lines w0.05: 8.347,17.334 2.975,1.733 14.359,-2.187 19.731,13.414 8.35,17.333 ; 17.923,-49.428 cw(c16.331,-48.69) 16.575,-50.428 -26.6,-50.428 cw(c-26.383,-49.211) -27.6,-48.993 -7.5,8.685 12.6,66.363 13.089,66.852 cw(c15.257,64.684) 15.257,67.75 17.23,67.75 cw(c17.23,64.684) 19.398,66.852 27.25,59 ; 17.923,-49.428 27.899,-20.802 43.25,23.25 43.25,27.23 ccw(c40.184,27.23) 42.352,29.398 42.311,29.439 cw(c44.479,31.607) 41.413,31.607 41.413,32.75 45.7,45.052 45.7,45.354 cw(c49.285,45.354) 46.75,47.889 46.75,48.95 ccw(c43.684,48.95) 45.852,51.118 43.618,53.352 ccw(c41.45,51.184) 41.45,54.25 33.27,54.25 cw(c33.27,57.316) 31.102,55.148 26.648,59.602 ; 9.327,17.631 19.331,14.186 21.773,21.278 11.769,24.722 9.327,17.631 ; 11.529,25.687 12.115,27.389 15.416,26.225 14.839,24.548 11.529,25.687 ; 18.112,2.999 20.948,2.022 20.297,0.131 25.97,-1.823 26.622,0.068 29.458,-0.908 33.365,10.438 22.019,14.345 18.112,2.999 ; 20.579,16.638 21.719,19.948 23.421,19.362 22.281,16.052 20.579,16.638 ; 37.8,42.314 43.951,40.075 45.844,41.461 47.041,44.75 46.486,47.027 40.331,49.267 37.8,42.314
Assembly Top:
  text ".Layer_Name" at 264.902,-46.311 h3.5
Assembly Bottom:
  text ".Layer_Name" at 264.902,-46.311 h3.5
Drill Drawing:
  drawing of 188 lines, arcs and shapes, not listed
  text "Symbol" at 181.543,70 h0.96
  text "Count" at 188.342,70 h0.96
  text "Hole Size" at 196.24,70 h0.96
  text "Plated" at 212.002,70 h0.96
  text "Hole Type" at 218.8,70 h0.96
  text "Drill Layer Pair" at 228.637,70 h0.96
  text "Via/Pad" at 248.665,70 h0.96
  text "Pad Shape" at 256.583,70 h0.96
  text "Template" at 266.58,70 h0.96
  text "Hole Length" at 283.542,70 h0.96
  text "Routed Path Length" at 299.17,70 h0.96
  text "1" at 188.342,68 h0.8
  text "1,000mm (39,37mil)" at 196.24,68 h0.8
  text "NPTH" at 212.002,68 h0.8
  text "Round" at 218.8,68 h0.8
  text "Top Layer - Bottom Layer" at 228.637,68 h0.8
  text "Pad" at 248.665,68 h0.8
  text "Rounded" at 256.583,68 h0.8
  text "c0hn100m105" at 266.58,68 h0.8
  text "-" at 283.542,68 h0.8
  text "-" at 299.17,68 h0.8
  text "1" at 188.342,66 h0.8
  text "1,500mm (59,06mil)" at 196.24,66 h0.8
  text "PTH" at 212.002,66 h0.8
  text "Round" at 218.8,66 h0.8
  text "Top Layer - Bottom Layer" at 228.637,66 h0.8
  text "Pad" at 248.665,66 h0.8
  text "Rounded" at 256.583,66 h0.8
  text "c230h150" at 266.58,66 h0.8
  text "-" at 283.542,66 h0.8
  text "-" at 299.17,66 h0.8
  text "1" at 188.342,64 h0.8
  text "2,000mm (78,74mil)" at 196.24,64 h0.8
  text "NPTH" at 212.002,64 h0.8
  text "Round" at 218.8,64 h0.8
  text "Top Layer - Bottom Layer" at 228.637,64 h0.8
  text "Pad" at 248.665,64 h0.8
  text "Rounded" at 256.583,64 h0.8
  text "c0hn200m205" at 266.58,64 h0.8
  text "-" at 283.542,64 h0.8
  text "-" at 299.17,64 h0.8
  text "1" at 188.342,62 h0.8
  text "6,000mm (236,22mil)" at 196.24,62 h0.8
  text "NPTH" at 212.002,62 h0.8
  text "Round" at 218.8,62 h0.8
  text "Top Layer - Bottom Layer" at 228.637,62 h0.8
  text "Pad" at 248.665,62 h0.8
  text "Rounded" at 256.583,62 h0.8
  text "c0hn600m605" at 266.58,62 h0.8
  text "-" at 283.542,62 h0.8
  text "-" at 299.17,62 h0.8
  text "2" at 188.342,60 h0.8
  text "0,800mm (31,50mil)" at 196.24,60 h0.8
  text "PTH" at 212.002,60 h0.8
  text "Round" at 218.8,60 h0.8
  text "Top Layer - Bottom Layer" at 228.637,60 h0.8
  text "Pad" at 248.665,60 h0.8
  text "Rounded" at 256.583,60 h0.8
  text "c152h80" at 266.58,60 h0.8
  text "-" at 283.542,60 h0.8
  text "-" at 299.17,60 h0.8
  text "2" at 188.342,58 h0.8
  text "2,300mm (90,55mil)" at 196.24,58 h0.8
  text "PTH" at 212.002,58 h0.8
  text "Round" at 218.8,58 h0.8
  text "Top Layer - Bottom Layer" at 228.637,58 h0.8
  text "Pad" at 248.665,58 h0.8
  text "Rounded" at 256.583,58 h0.8
  text "c345h230" at 266.58,58 h0.8
  text "-" at 283.542,58 h0.8
  text "-" at 299.17,58 h0.8
  text "C" at 181.144,57.85 h0.89
  text "3" at 188.342,56 h0.8
  text "1,200mm (47,24mil)" at 196.24,56 h0.8
  text "NPTH" at 212.002,56 h0.8
  text "Round" at 218.8,56 h0.8
  text "Top Layer - Bottom Layer" at 228.637,56 h0.8
  text "Pad" at 248.665,56 h0.8
  text "Rounded" at 256.583,56 h0.8
  text "c120hn120" at 266.58,56 h0.8
  text "-" at 283.542,56 h0.8
  text "-" at 299.17,56 h0.8
  text "3" at 188.342,54 h0.8
  text "4,000mm (157,48mil)" at 196.24,54 h0.8
  text "NPTH" at 212.002,54 h0.8
  text "Round" at 218.8,54 h0.8
  text "Top Layer - Bottom Layer" at 228.637,54 h0.8
  text "Pad" at 248.665,54 h0.8
  text "Rounded" at 256.583,54 h0.8
  text "c0hn400m405" at 266.58,54 h0.8
  text "-" at 283.542,54 h0.8
  text "-" at 299.17,54 h0.8
  text "4" at 188.342,52 h0.8
  text "0,700mm (27,56mil)" at 196.24,52 h0.8
  text "PTH" at 212.002,52 h0.8
  text "Round" at 218.8,52 h0.8
  text "Top Layer - Bottom Layer" at 228.637,52 h0.8
  text "Pad" at 248.665,52 h0.8
  text "(Mixed)" at 256.583,52 h0.8
  text "(Mixed)" at 266.58,52 h0.8
  text "-" at 283.542,52 h0.8
  text "-" at 299.17,52 h0.8
  text "4" at 188.342,50 h0.8
  text "0,800mm (31,50mil)" at 196.24,50 h0.8
  text "PTH" at 212.002,50 h0.8
  text "Slot" at 218.8,50 h0.8
  text "Top Layer - Bottom Layer" at 228.637,50 h0.8
  text "Pad" at 248.665,50 h0.8
  text "Rounded" at 256.583,50 h0.8
  text "r230_160h80_150r100" at 266.58,50 h0.8
  text "1,500mm (59,06mil)" at 283.542,50 h0.8
  text "0,700mm (27,56mil)" at 299.17,50 h0.8
  text "4" at 188.342,48 h0.8
  text "0,920mm (36,22mil)" at 196.24,48 h0.8
  text "PTH" at 212.002,48 h0.8
  text "Round" at 218.8,48 h0.8
  text "Top Layer - Bottom Layer" at 228.637,48 h0.8
  text "Pad" at 248.665,48 h0.8
  text "Rounded" at 256.583,48 h0.8
  text "c142h92" at 266.58,48 h0.8
  text "-" at 283.542,48 h0.8
  text "-" at 299.17,48 h0.8
  text "B" at 181.144,47.85 h0.89
  text "4" at 188.342,46 h0.8
  text "1,100mm (43,31mil)" at 196.24,46 h0.8
  text "PTH" at 212.002,46 h0.8
  text "Round" at 218.8,46 h0.8
  text "Top Layer - Bottom Layer" at 228.637,46 h0.8
  text "Pad" at 248.665,46 h0.8
  text "Rounded" at 256.583,46 h0.8
  text "c160h110" at 266.58,46 h0.8
  text "-" at 283.542,46 h0.8
  text "-" at 299.17,46 h0.8
  text "A" at 181.144,45.85 h0.89
  text "6" at 188.342,44 h0.8
  text "0,850mm (33,47mil)" at 196.24,44 h0.8
  text "PTH" at 212.002,44 h0.8
  text "Round" at 218.8,44 h0.8
  text "Top Layer - Bottom Layer" at 228.637,44 h0.8
  text "Pad" at 248.665,44 h0.8
  text "Rounded" at 256.583,44 h0.8
  text "c140h85" at 266.58,44 h0.8
  text "-" at 283.542,44 h0.8
  text "-" at 299.17,44 h0.8
  text "8" at 188.342,42 h0.8
  text "1,800mm (70,87mil)" at 196.24,42 h0.8
  text "PTH" at 212.002,42 h0.8
  text "Slot" at 218.8,42 h0.8
  text "Top Layer - Bottom Layer" at 228.637,42 h0.8
  text "Pad" at 248.665,42 h0.8
  text "Rounded" at 256.583,42 h0.8
  text "r700_300h180_500r100" at 266.58,42 h0.8
  text "5,000mm (196,85mil)" at 283.542,42 h0.8
  text "3,200mm (125,98mil)" at 299.17,42 h0.8
  text "10" at 188.342,40 h0.8
  text "1,000mm (39,37mil)" at 196.24,40 h0.8
  text "PTH" at 212.002,40 h0.8
  text "Round" at 218.8,40 h0.8
  text "Top Layer - Bottom Layer" at 228.637,40 h0.8
  text "Pad" at 248.665,40 h0.8
  text "(Mixed)" at 256.583,40 h0.8
  text "(Mixed)" at 266.58,40 h0.8
  text "-" at 283.542,40 h0.8
  text "-" at 299.17,40 h0.8
  text "16" at 188.342,38 h0.8
  text "0,650mm (25,59mil)" at 196.24,38 h0.8
  text "PTH" at 212.002,38 h0.8
  text "Round" at 218.8,38 h0.8
  text "Top Layer - Bottom Layer" at 228.637,38 h0.8
  text "Pad" at 248.665,38 h0.8
  text "(Mixed)" at 256.583,38 h0.8
  text "(Mixed)" at 266.58,38 h0.8
  text "-" at 283.542,38 h0.8
  text "-" at 299.17,38 h0.8
  text "21" at 188.342,36 h0.8
  text "0,300mm (11,81mil)" at 196.24,36 h0.8
  text "PTH" at 212.002,36 h0.8
  text "Round" at 218.8,36 h0.8
  text "Top Layer - Bottom Layer" at 228.637,36 h0.8
  text "Via" at 248.665,36 h0.8
  text "Rounded" at 256.583,36 h0.8
  text "v70h30m35" at 266.58,36 h0.8
  text "-" at 283.542,36 h0.8
  text "-" at 299.17,36 h0.8
  text "69" at 188.342,34 h0.8
  text "0,900mm (35,43mil)" at 196.24,34 h0.8
  text "PTH" at 212.002,34 h0.8
  text "Round" at 218.8,34 h0.8
  text "Top Layer - Bottom Layer" at 228.637,34 h0.8
  text "Pad" at 248.665,34 h0.8
  text "(Mixed)" at 256.583,34 h0.8
  text "(Mixed)" at 266.58,34 h0.8
  text "-" at 283.542,34 h0.8
  text "-" at 299.17,34 h0.8
  text "160 Total" at 188.342,32 h0.8
  text "Slot definitions :" at 181.543,30.034 h0.8
  text "Routed Path Length" at 195.359,30.034 h0.8
  text "= Calculated from tool start centre position to tool end centre position." at 210.108,30.034 h0.8
  text "Hole Length" at 195.359,28.667 h0.8
  text "= Routed Path Length + Tool Size = Slot length as defined in the PCB layout" at 204.643,28.667 h0.8
  text ".Layer_Name" at 264.902,-46.311 h3.5
Panel:
  drawing of 157 lines, arcs and shapes, not listed
  text "Mill PCB edges but leave them connected with a few breakaway tabs" at 25,80.5 h2
  text "DESIGN 1" at 56.1,69.5 h2
  text "DESIGN 3" at 136.6,63.9 h2
  text "Board Cutout" at 143.2,51.2 h0.5 r90
  text "DESIGN 5" at 61.9,40.1 h2
  text "DESIGN 2" at 106.5,36.8 h2
  text "DESIGN 4" at 144.6,27.1 h1.5
  text "Board Cutout" at 114.4,26 h0.5 r90
  text "DESIGN 5" at 61.9,24.1 h2
  text "Board Cutout" at 150.4,19.3 h0.5 r90
  text "DESIGN 5" at 61.9,8.1 h2
  text "DESIGN 5" at 119,8.1 h2
  text ".Layer_Name" at 264.902,-46.311 h3.5

## Dimensions
0.481,1.217 to 164,83.5 on Fabrication
0,127 to -6.5,0 on Fabrication

## Text inside footprints (layer, text, board x,y; h text height)
C1: Assembly Top "+" at 107.35,83.25 h1 r270; Top Overlay "+" at 107.35,83.25 h1 r270
C8: Assembly Top "+" at 69.75,93.752 h1; Top Overlay "+" at 69.75,93.752 h1
D3: Top Overlay "C" at 28.9,123.3 h0.8
J1: Comments "PCB EDGE" at 27.435,2.432 h0.8 r161